# Altium PCB PCB1.PcbDoc (part 1 of 2) (continued)
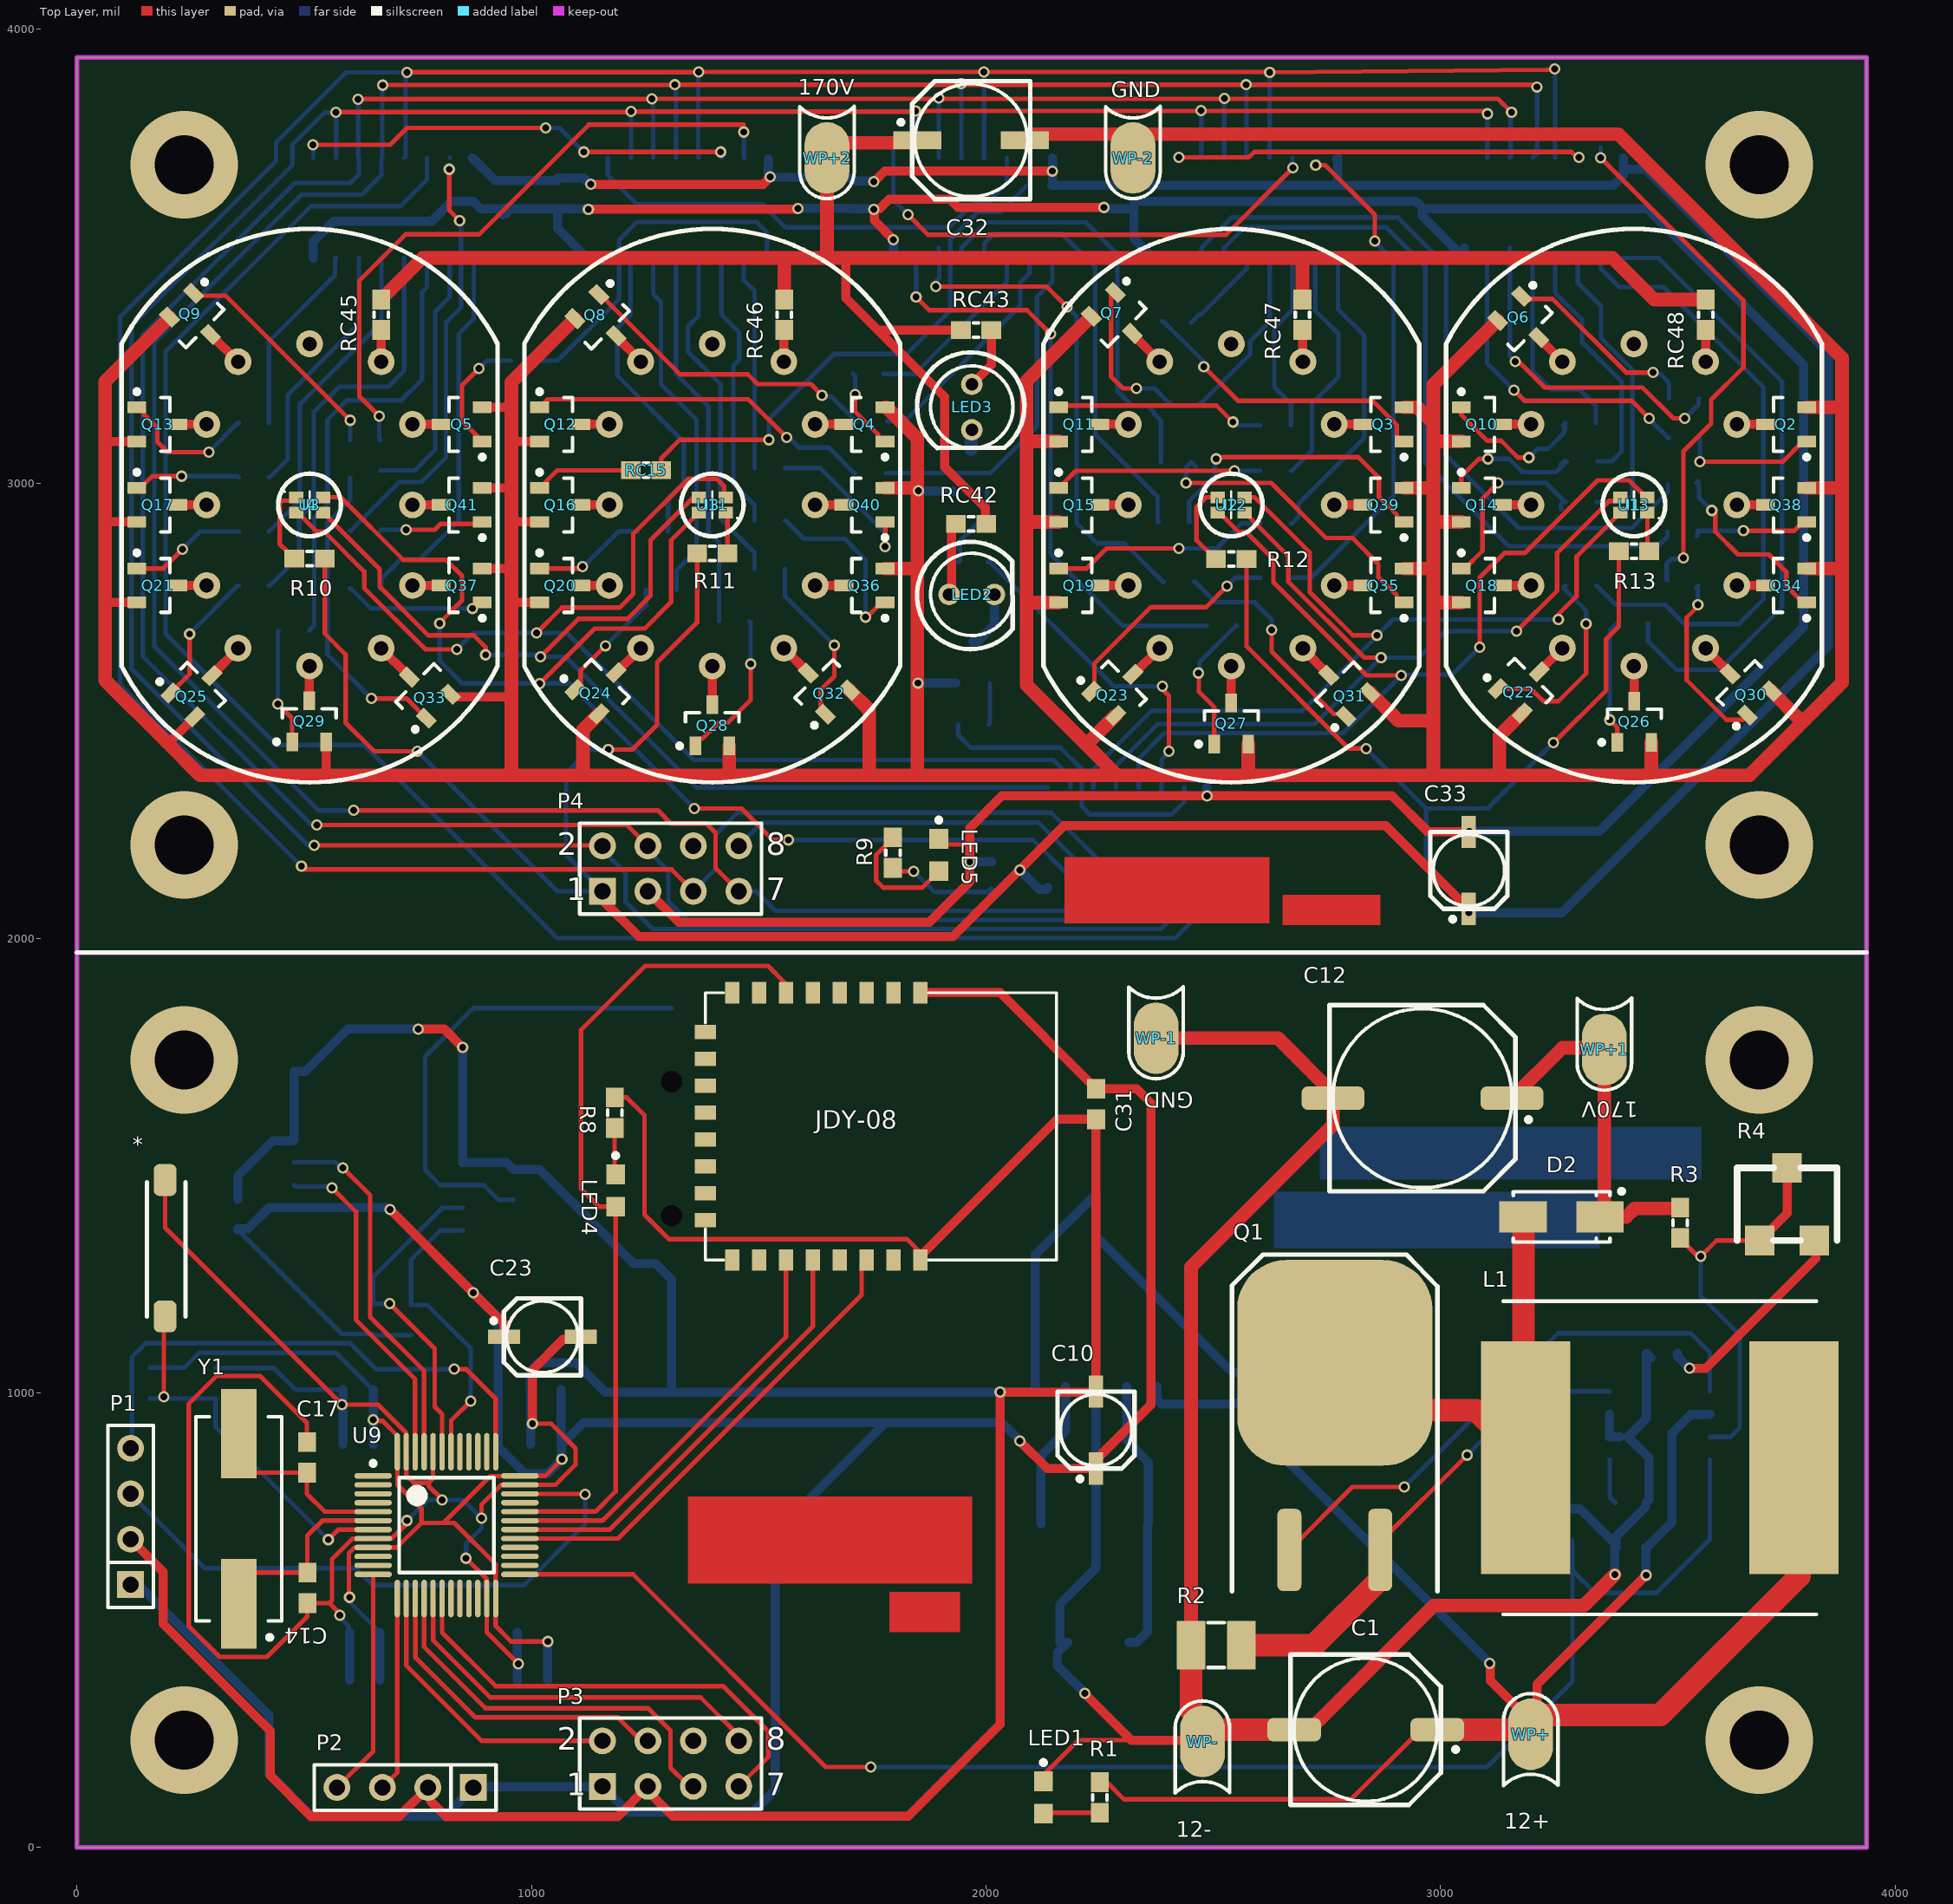
[diagram p0: Top Layer view]
## Components (designator, comment, footprint, x,y, rotation, side; value= is the part's Value field where it differs from the comment) (continued)
RC9 "4.7K" RESC1608[0603] 3308,3133 r180 bottom
RC10 "4.7K" RESC1608[0603] 2637,3128 r180 bottom
RC11 "4.7K" RESC1608[0603] 1745,3023 r180 bottom
RC12 "4.7K" RESC1608[0603] 389,3133 r180 bottom
RC13 "4.7K" RESC1608[0603] 3311,3049 r180 bottom
RC14 "4.7K" RESC1608[0603] 2637,3028 r180 bottom
RC15 "4.7K" RESC1608[0603] 1252,3029 r180 top
RC16 "4.7K" RESC1608[0603] 389,3013.67 r180 bottom
RC17 "4.7K" RESC1608[0603] 3309,2954 r180 bottom
RC18 "4.7K" RESC1608[0603] 2637,2912 r180 bottom
RC19 "4.7K" RESC1608[0603] 1267,2895 r180 bottom
RC20 "4.7K" RESC1608[0603] 389,2894.33 r180 bottom
RC21 "4.7K" RESC1608[0603] 3308,2775 r180 bottom
RC22 "4.7K" RESC1608[0603] 2637,2793 r180 bottom
RC23 "4.7K" RESC1608[0603] 1285.46,2766 r180 bottom
RC24 "4.7K" RESC1608[0603] 389,2775 r180 bottom
RC25 "4.7K" RESC1608[0603] 3423,2692 r180 bottom
RC26 "4.7K" RESC1608[0603] 2518,2687 r0 bottom
RC27 "4.7K" RESC1608[0603] 1446,2697 r0 bottom
RC28 "4.7K" RESC1608[0603] 477,2676 r180 bottom
RC29 "4.7K" RESC1608[0603] 3530.54,2788 r0 bottom
RC30 "4.7K" RESC1608[0603] 2424,2784 r0 bottom
RC31 "4.7K" RESC1608[0603] 1524,2812 r0 bottom
RC32 "4.7K" RESC1608[0603] 634,3029 r180 bottom
RC33 "4.7K" RESC1608[0603] 3533,2997 r0 bottom
RC34 "4.7K" RESC1608[0603] 2418,3047 r0 bottom
RC35 "4.7K" RESC1608[0603] 1524,2918 r0 bottom
RC36 "4.7K" RESC1608[0603] 634,2769 r180 bottom
RC37 "4.7K" RESC1608[0603] 3532,2896 r0 bottom
RC38 "4.7K" RESC1608[0603] 2413,2916 r0 bottom
RC39 "4.7K" RESC1608[0603] 1524,3034 r0 bottom
RC40 "4.7K" RESC1608[0603] 634,2896 r0 bottom
RC41 "4.7K" RESC1608[0603] 1972,2470 r0 bottom
RC42 "200k" RESC1608[0603] 1967,2911 r0 top
RC43 "200k" RESC1608[0603] 1978,3337 r180 top
RC44 "4.7K" RESC1608[0603] 1972.54,2827 r180 bottom
RC45 "20k" RESC1608[0603] 669,3371 r90 top
RC46 "20k" RESC1608[0603] 1556,3371 r90 top
RC47 "20k" RESC1608[0603] 2696,3371 r90 top
RC48 "20k" RESC1608[0603] 3583,3371 r270 top
tc "226" CAPC1608[0603] 2960,3638 r270 bottom
U1 "LM2596S-3.3" TO-263-5 2242,1266 r90 bottom
U2 "MAX1771" SOIC8 3482,928 r180 bottom
U3 "LED_RGB" LED-RGB-0603 511.81,2952.76 r0 top
U4 "SN74HC595N" SOIC16 695,3606 r90 bottom
U5 "SN74HC595N" SOIC16 1342.76,3606 r90 bottom
U6 "SN74HC595N" SOIC16 1970.84,3606 r90 bottom locked
U7 "SN74HC595N" SOIC16 2598.92,3606 r90 bottom locked
U8 "SN74HC595N" SOIC16 3227,3606 r90 bottom locked
U9 "STM32F103C8T6" LQFP48_M 813,709 r0 top locked
U10 "SN74HC595N" SOIC16 2311,2221 r270 bottom locked
U11 "LED_RGB" LED-RGB-0603 1397.64,2952.76 r180 top
U12 "LED_RGB" LED-RGB-0603 2539.37,2952.76 r0 top
U13 "LED_RGB" LED-RGB-0603 3425.2,2952.76 r180 top
WP+ "12+" WirePadSingleSide 4274.77,249 r0 top
WP+1 "170V" WirePadSingleSide 2283.23,1755 r180 top
WP+2 "170V" WirePadSingleSide 573.23,3716 r180 top
WP- "12-" WirePadSingleSide 3552.77,233 r0 top
WP-1 "GND" WirePadSingleSide 1297.23,1780 r180 top
WP-2 "GND" WirePadSingleSide 1246.23,3716 r180 top
Y1 "8MHz" XTAL-SMD 356,535.99 r90 top locked
? "CC2541-MOD" JDY-08 1855,1880 r0 top

## Footprints (in the part's own frame and the unit in brackets; to place one, negate y for a bottom-side part, rotate by r counter-clockwise, add the part's x,y. Pads: shape width x height; smd on the part's side, far side on the other; paste and mask are expansions set on the pad)
CAPC1608[0603] [mm] "Chip Capacitor, 2-Leads, Body 1.60x0.80mm, IPC Medium Density"
  rect 1.1x1 smd: 1(-0.85,0) 2(0.85,0)
  body extent -0.88,-0.48 0.87,0.47, height 0.85
CAPS4 [mm] "Solid Electorlytic Capacitor, B-type Footprint, 4mm Diameter, 5.5mm Height"
  rect 1.8x0.8 smd: 1(-2.15,0) 2(2.15,0)
  silkscreen extent -2.85,-2.15 2.15,2.15, body extent -2.29,-2.16 2.31,2.14, height 5.2
CAPS6.3 [mm] "Solid Electorlytic Capacitor, E-type Footprint, 6.3mm Diameter, 5.5mm Height"
  rect 2.7x1 smd: 1(-3,0) 2(3,0)
  silkscreen extent -4.05,-3.3 3.3,3.3, body extent -3.5,-3.3 3.5,3.3, height 5.2
CAPS8 [mm] "Solid Electorlytic Capacitor, G-type Footprint, 8mm Diameter, 10mm Height"
  rrect50% 3x1.3 smd: 1(-4,0) 2(4,0)
  silkscreen extent -5.15,-4.2 4.2,4.2, body extent -3.5,-3.3 3.5,3.3, height 7.7
CAPS10 [mm] "Solid Electorlytic Capacitor, H-type Footprint, 10mm Diameter, 10mm Height"
  rrect50% 3.5x1.3 smd: 1(-5,0) 2(5,0)
  silkscreen extent -6.05,-5.2 5.2,5.2, body extent -4.47,-4.12 4.53,4.18, height 10.5
CR12202 [mm]
  rect 4x2.3 smd: 1(-8,0)
  rect 4.4x2.3 smd: 2(8,0)
  round 0.6 hole 1.2 unplated: MH1(-3.6,0) MH2(3.9,0)
  silkscreen extent -7.5,-7.5 8,7.5, body extent -9.29,-7.49 9.21,7.5, height 4.44
HDR1X4 [mm] "Connector; Header; 4 Position"
  rect 1.5x1.5 hole 0.9: 1(0,0)
  round 1.5 hole 0.9: 2(2.54,0) 3(5.08,0) 4(7.62,0)
  silkscreen extent -1.27,-1.27 8.89,1.27, body extent -1.27,-1.27 8.89,1.27, height 8.54
HDR2X4 [mm] "Connector; Header; 4x2 Position"
  rect 1.5x1.5 hole 0.9: 1(0,0)
  round 1.5 hole 0.9: 2(0,2.54) 3(2.54,0) 4(2.54,2.54) 5(5.08,0) 6(5.08,2.54) 7(7.62,0) 8(7.62,2.54)
  silkscreen extent -1.27,-1.27 8.89,3.81, body extent -1.27,-1.27 8.89,3.81, height 8.54
JDY-08 [mm]
  rect 0.8x1.2 smd: 1(0,0) 2(-1.5,0) 3(-3,0) 4(-4.5,0) 5(-6,0) 6(-7.5,0) 7(-9,0) 8(-10.5,0) 17(-10.5,-14.935) 18(-9,-14.935) 19(-7.5,-14.935) 20(-6,-14.935) 21(-4.5,-14.935) 22(-3,-14.935) 23(-1.5,-14.935) 24(0,-14.935)
  rect 1.2x0.8 smd: 9(-12,-2.202) 10(-12,-3.702) 11(-12,-5.202) 12(-12,-6.702) 13(-12,-8.202) 14(-12,-9.702) 15(-12,-11.202) 16(-12,-12.702)
  silkscreen extent -12,-14.94 7.61,0
KEY [mil]
  rrect50% 70x50 smd: 1(0,0) 2(300,0)
  silkscreen extent 0,-45 295,40, body extent 0,-78 308,80, height 102
LED-R5-H9-SINGLE-R [mm]
  round 1.2 hole 0.7: 1(0,0) 2(2.54,0)
  silkscreen extent -1.78,-3.06 3.57,2.94, body extent -1.36,-2.85 3.99,2.85, height 1.5
LED-RGB-0603 [mm]
  rect 0.8x0.65 smd: 1(-0.75,0.425) 2(0.75,0.425) 3(-0.75,-0.425) 4(0.75,-0.425)
  silkscreen extent -1.42,-0.75 0,0.76, body extent -0.8,-0.75 0.8,0.75, height 0.55
LEDC1608(0603) [mm] "LED,Chip;1.60mm L X 0.80mm W X 0.80mm H"
  rect 1.1x1.05 smd: A(0.9,0) C(-0.9,0)
  silkscreen extent -2.07,-0.12 -1.83,0.13, body extent -0.9,-0.45 0.9,0.45, height 0.8
LQFP48_M [mm] "Thin QFP, 48-Leads, Body 7x7mm, Pitch 0.5mm, IPC Low Density"
  oval 2.1x0.3 smd: 1(-4.1,2.75) 2(-4.1,2.25) 3(-4.1,1.75) 4(-4.1,1.25) 5(-4.1,0.75) 6(-4.1,0.25) 7(-4.1,-0.25) 8(-4.1,-0.75) 9(-4.1,-1.25) 10(-4.1,-1.75) 11(-4.1,-2.25) 12(-4.1,-2.75) 25(4.1,-2.75) 26(4.1,-2.25) 27(4.1,-1.75) 28(4.1,-1.25) 29(4.1,-0.75) 30(4.1,-0.25) 31(4.1,0.25) 32(4.1,0.75) 33(4.1,1.25) 34(4.1,1.75) 35(4.1,2.25) 36(4.1,2.75)
  oval 0.3x2.1 smd: 13(-2.75,-4.1) 14(-2.25,-4.1) 15(-1.75,-4.1) 16(-1.25,-4.1) 17(-0.75,-4.1) 18(-0.25,-4.1) 19(0.25,-4.1) 20(0.75,-4.1) 21(1.25,-4.1) 22(1.75,-4.1) 23(2.25,-4.1) 24(2.75,-4.1) 37(2.75,4.1) 38(2.25,4.1) 39(1.75,4.1) 40(1.25,4.1) 41(0.75,4.1) 42(0.25,4.1) 43(-0.25,4.1) 44(-0.75,4.1) 45(-1.25,4.1) 46(-1.75,4.1) 47(-2.25,4.1) 48(-2.75,4.1)
  silkscreen extent -4.22,-2.65 2.65,3.57, body extent -4.5,-4.5 4.5,4.5, height 1.6
Nixie_IN12-hole [mm]
  round 1.5 hole 0.8: 1(4,8) 2(5.75,4.5) 3(5.75,0) 4(5.75,-4.5) 5(4,-8) 6(0,-9) 7(-4,-8) 8(-5.75,-4.5) 9(-5.75,0) 10(-5.75,4.5) 11(-4,8) 12(0,9)
  silkscreen extent -10.5,-15.5 10.5,15.42, body extent -10.49,-14.99 10.51,16.01, height 38.7
RESC1608[0603] [mm] "Chip Resistor, 2-Leads, Body 1.60x0.82mm, IPC Medium Density"
  rect 1.1x1 smd: 1(-0.85,0) 2(0.85,0)
  silkscreen extent -0.15,-0.4 0.15,0.4, body extent -0.8,-0.4 0.8,0.4, height 0.45
RESC3225[1210] [mm] "Chip Resistor, 2-Leads, Body 3.20x2.49mm, IPC Medium Density"
  rect 1.6x2.7 smd: 1(-1.4,0) 2(1.4,0)
  silkscreen extent -0.45,-1.25 0.45,1.25, body extent -1.68,-1.32 1.68,1.32, height 0.71
Rhostat3 [mil]
  rect 65x65 smd: 1(-60,-80) 2(60,-80) 3(0,80)
  silkscreen extent -110,-80 110,80, body extent -89,-96 89,96, height 87
SMA[DO-214AC] [mm] "Molded Diode, 2-Leads, Body 5.00x2.49mm, IPC Medium Density"
  rect 2.65x1.75 smd: A(-2.15,0) K(2.15,0)
  silkscreen extent -2.7,-1.4 3.48,1.55, body extent -2.9,-1.46 2.91,1.46, height 2.3
SOIC8 [mm] "SOIC,1.27mm pitch;8 pin,3.90mm W X 4.88mm L X 1.73mm H body"
  rect 1.8x0.65 smd: 1(-2.8,1.905) 2(-2.8,0.635) 3(-2.8,-0.635) 4(-2.8,-1.905) 5(2.8,-1.905) 6(2.8,-0.635) 7(2.8,0.635) 8(2.8,1.905)
  silkscreen extent -3.58,-2.45 1.58,2.87, body extent -3.11,-2.45 3.11,2.45, height 1.75
SOIC16 [mm] "SOIC,1.27mm pitch;16 pin,3.90mm W X 9.90mm L X 1.65mm H body"
  rect 1.8x0.65 smd: 1(-2.8,4.445) 2(-2.8,3.175) 3(-2.8,1.905) 4(-2.8,0.635) 5(-2.8,-0.635) 6(-2.8,-1.905) 7(-2.8,-3.175) 8(-2.8,-4.445) 9(2.8,-4.445) 10(2.8,-3.175) 11(2.8,-1.905) 12(2.8,-0.635) 13(2.8,0.635) 14(2.8,1.905) 15(2.8,3.175) 16(2.8,4.445)
  silkscreen extent -3.57,-4.95 1.58,5.43, body extent -3.11,-4.95 3.11,4.95, height 1.75
SOIC127P1032X265-16N [mm]
  rect 1.925x0.65 smd: 1(-4.712,4.445) 2(-4.712,3.175) 3(-4.712,1.905) 4(-4.712,0.635) 5(-4.712,-0.635) 6(-4.712,-1.905) 7(-4.712,-3.175) 8(-4.712,-4.445) 9(4.712,-4.445) 10(4.712,-3.175) 11(4.712,-1.905) 12(4.712,-0.635) 13(4.712,0.635) 14(4.712,1.905) 15(4.712,3.175) 16(4.712,4.445)
  silkscreen extent -5.68,-5.15 3.4,5.15, body extent -5.16,-5.15 5.16,5.15, height 2.65
SOT23 [mm] "SOT23, 3-Leads, Body 2.90x2.40mm, Pitch 0.95mm, IPC Medium Density"
  rect 1.05x0.65 smd: 1(-1.15,0.95) 2(-1.15,-0.95) 3(1.15,0)
  silkscreen extent -1.28,-1.5 0.7,1.95, body extent -1.4,-1.45 1.4,1.45, height 1.2
TO-263 [mm]
  rrect50% 1.35x4.6 smd: 1(-2.54,-5.225) 3(2.54,-5.225)
  rrect50% 10.9x11.5 smd: 2(0,5.225)
  silkscreen extent -5.74,-7.52 5.74,11.28, body extent -4.91,-5.98 4.91,8.6, height 4.22
TO-263-5 [mm]
  rect 3.79x0.99 smd: 1(-6.4,3.4) 2(-6.4,1.7) 3(-6.4,0) 4(-6.4,-1.7) 5(-6.4,-3.4)
  rect 7.88x10.84 smd paste-6: 6(4.35,0)
  silkscreen extent -9.1,-5.08 0.09,5.08, body extent -7.04,-5.08 7.32,5.08, height 4.65
WHC0630 [mm] "7.4mm 6.6mm 3mm"
  rect 2.6x4 smd: 1(-3,0) 2(3,0)
  silkscreen extent -3.7,-3.3 3.7,3.3, body extent -3.66,-3.38 3.64,3.22, height 2.8
WHC1770 [mm] "17.5mm 17.5mm 7mm"
  rect 5x13 smd: 1(-7.5,0) 2(7.5,0)
  silkscreen extent -8.75,-8.75 8.75,8.75, body extent -8.95,-8.43 8.95,8.47, height 6.81
WirePadSingleSide [mm] "A single-side pad for soldering wire."
  oval 2.5x4 smd: 1(-27.35,0)
  silkscreen extent -28.87,-2.88 -25.83,2.27
XTAL-SMD [mm]
  rect 5x2 smd: 1(0,0) 2(9.5,0)
  silkscreen extent -2,-2.4 10.45,2.4, body extent -1.95,-2.46 11.45,2.44, height 4

## Part data
C1: library part "Cap Solid", "Polarized Capacitor (Radial)", Voltage=25V, Price(RMB)=0.000, Published=8-Jun-2000, Publisher="Altium Limited", Revision="July-2002: Re-released for DXP Platform."
C2 C3 C4 C5 C6 C7 C8 C9 C11 C13 C14 C16 C17 C19 C20 C21 C22 C24 C25 C26 C27 C28 C29 C31 tc: library part "Cap Chip 1", "Chip Capacitor, PSpice Model", Tolerance=Y5V, Voltage=3V, Price(RMB)=0.000, Published=8-Jun-2000, Publisher="Altium Limited", Revision="July-2002: Re-released for DXP Platform."
C10 C23 C33: library part "Cap Solid", "Polarized Capacitor (Radial)", Voltage=16V, Price(RMB)=0.000, Published=8-Jun-2000, Publisher="Altium Limited", Revision="July-2002: Re-released for DXP Platform."
C12 C32: library part "Cap Solid", "Polarized Capacitor (Radial)", Voltage=400V, Price(RMB)=0.000, Published=8-Jun-2000, Publisher="Altium Limited", Revision="July-2002: Re-released for DXP Platform."
D1: library part "Diode SMx", "Molded Diode", Imax=500mA, PartNumber=SS26, Price(RMB)=0.000, Published=8-Jun-2000, Publisher="Altium Limited", Revision="July-2002: Re-released for DXP Platform."
D2: library part "Diode TVS Uni-Dir", "TRANSIENT VOLTAGE  SUPPRESSOR DIODE", PartNumber=P/N, Imax=500mA, Price(RMB)=0.000, Published=8-Jun-2000, Publisher="Altium Limited"
I1 I2 I3 I4: library part IN12
IC1: "Integrated Circuit", Manufacturer_Name="Maxim Integrated", Mouser Part Number=700-DS3231S-, Datasheet Link=http://componentsearchengine.com/Datasheets/1/DS3231S.pdf, Height=2.65mm, Manufacturer_Part_Number=DS3231S, Mouser Price/Stock=https://www.mouser.co.uk/ProductDetail/Maxim-Integrated/DS3231S/?qs=ffX8NcjNb2RJWdvttxi1fQ%3D%3D
IC2: "Integrated Circuit", Manufacturer_Name=Q&J, Datasheet Link=https://datasheet.lcsc.com/szlcsc/Q-J-CR1220-2_C70381.pdf, Height=4.1mm, Manufacturer_Part_Number=CR1220-2
L1 L2: library part L
LED1 LED4 LED5: library part "LED Chip", "Typical Chip LED", Color=Red, Price(RMB)=0.00, Published=8-Jun-2000, Publisher="Altium Limited", Revision="July-2002: Re-released for DXP Platform."
LED2 LED3: "Red, 5mm, Typical INFRARED GaAs LED", Price(RMB)=0.00, Published=8-Jun-2000, Publisher="Altium Limited", Revision="July-2002: Re-released for DXP Platform."
P1 P2: "Header, 4-Pin", LatestRevisionDate=17-Jul-2002, LatestRevisionNote="Re-released for DXP Platform.", Price(RMB)=0.00, Publisher="Altium Limited"
P3 P4: "Header, 4-Pin, Dual row", LatestRevisionDate=17-Jul-2002, LatestRevisionNote="Re-released for DXP Platform.", Price(RMB)=0.00, Publisher="Altium Limited"
Q1: library part NMOS
Q2 Q3 Q4 Q5 Q6 Q7 Q8 Q9 Q10 Q11 Q12 Q13 Q14 Q15 Q16 Q17 Q18 Q19 Q20 Q21 Q22 Q23 Q24 Q25 Q26 Q27 Q28 Q29 Q30 Q31 Q32 Q33 Q34 Q35 Q36 Q37 Q38 Q39 Q40 Q41 Q42 Q43: library part "NPN SMC SOT-23", "NPN Bipolar Transistor", PartNumber="0.2A 400V", Price(RMB)=0.000, Published=8-Jun-2000, Publisher="Altium Limited", Revision="July-2002: Re-released for DXP Platform."
R1 R2 R3 R5 R6 R7 R8 R9 R10 R11 R12 R13 R14 R15 RC1 RC2 RC3 RC4 RC5 RC6 RC7 RC8 RC9 RC10 RC11 RC12 RC13 RC14 RC15 RC16 RC17 RC18 RC19 RC20 RC21 RC22 RC23 RC24 RC25 RC26 RC27 RC28 RC29 RC30 RC31 RC32 RC33 RC34 RC35 RC36 RC37 RC38 RC39 RC40 RC41 RC42 RC43 RC44 RC45 RC46 RC47 RC48: library part "Res Chip 2p 1", "Chip Resistor, PSpice Model, IPC PCB Library Drawing", Tolerance=5%, Price(RMB)=0.000, Published=8-Jun-2000, Publisher="Altium Limited", Revision="July-2002: Re-released for DXP Platform.", TC1=0, TC2=0
R4: library part Rhostat
U1: library part LM2596S-5.0, "SIMPLE SWITCHER&reg; 4.5V to 40V, 3A Low Component Count Step-Down Regulator 5-DDPAK/TO-263", Package="TO-263-5 Texas Instruments", Availability=Good, Check_prices=https://www.snapeda.com/parts/LM2596S-5.0/NOPB/Texas%20Instruments/view-part/15588/?ref=eda, DigiKey-Purchase-URL=https://snapeda.com/shop?store=DigiKey&id=15588, MF="Texas Instruments", Mouser-Purchase-URL=https://snapeda.com/shop?store=Mouser&id=15588, MP=LM2596S-5.0/NOPB, Price=None, SnapEDA_Link=https://www.snapeda.com/parts/LM2596S-5.0/NOPB/Texas%20Instruments/view-part/15588/?ref=snap, Texas_Instruments-Purchase-URL=https://snapeda.com/shop?store=Texas+Instruments&id=15588
U2: "DC-to-DC Converter Control Circuit", PartNumber=MAX1771, Price(RMB)=0.0
U4 U5 U6 U7 U8 U10: "8-Bit Shift Register with 3-State Output Registers", Code_JEDEC=MS-001-BB, ComponentLink1Description="Manufacturer Link", ComponentLink1URL=http://www.ti.com/, ComponentLink2Description=Datasheet, ComponentLink2URL=http://www-s.ti.com/sc/ds/sn74hc595.pdf, DatasheetVersion=May-1997, LatestRevisionDate=04-Mar-2005, LatestRevisionNote="Stylized 3D Model Added.", PackageDescription="DIP; 16 Leads; Row Spacing 7.62 mm; Pitch 2.54 mm", PackageReference=N016, PackageVersion=Oct-1995, Price(RMB)=0.00, Published=8-Jun-2000, Publisher="Altium Limited"
U9: "STM32 ARM-based 32-bit MCU Performance Line with 64 kB Flash, 20 kB Internal RAM, -40 to +85癈 Temperature, 48-Pin LQFP, Tray", ComponentLink1Description="Manufacturer URL", ComponentLink1URL=http://www.st.com/, ComponentLink2Description="STM32F103 Datasheet", ComponentLink2URL=http://www.st.com/internet/com/TECHNICAL_RESOURCES/TECHNICAL_LITERATURE/DATASHEET/CD00161566.pdf, ComponentLink3Description="STM32 Family Web Page", ComponentLink3URL=www.st.com/stm32, DatasheetVersion="rev13.0, Apr-2011", PackageDescription="48-Pin Low-Profile Quad Flat Pack, 7 x 7 mm Body, 0.5 mm Pitch (LQFP48)", PackageReference=LQFP48, PackageVersion="rev13, Apr-2011"
WP+ WP+1 WP+2 WP- WP-1 WP-2: library part "Wire Pad", "Wire soldering pad.", Price(RMB)=0.000
Y1: library part XTAL, "Crystal Oscillator", Price(RMB)=0.000, Published=8-Jun-2000, Publisher="Altium Limited", Revision="July-2002: Re-released for DXP Platform."

## Via types
v1: diameter 25, hole 15, Top Layer to Bottom Layer, tented both sides, 160 vias
v2: diameter 236.22, hole 129.92, Top Layer to Bottom Layer, 8 vias

## Nets (pads, with @x,y where several pads share a name; then routed paths per layer and width w, separated by ;. In a path a pad name is that pad's centre, name@x,y a point inside that pad or via, vN(x,y) a via of type N, cw(c..) or ccw(c..) an arc to the next point about the centre after c; other vN are vias at no path point)
1_N0: I1.2 Q2.3 | length 63
  Top Layer w20: I1.2@3651.57,3129.92 Q2.3@3714.57,3129.92
1_N1: I1.11 Q6.3 | length 74.7
  Top Layer w20: Q6.3@3216.01,3320.99 3216.01,3320.2 3267.72,3268.5 I1.11@3267.72,3267.72
1_N2: I1.10 Q10.3 | length 63
  Top Layer w20: Q10.3@3135.83,3129.92 I1.10@3198.82,3129.92
1_N3: I1.9 Q14.3 | length 63
  Top Layer w20: Q14.3@3135.83,2952.76 I1.9@3198.82,2952.76
1_N4: I1.8 Q18.3 | length 63
  Top Layer w20: Q18.3@3135.83,2775.59 I1.8@3198.82,2775.59
1_N5: I1.7 Q22.3 | length 72.8
  Top Layer w20: Q22.3@3217.01,2586.01 3217.01,2586.55 3267.72,2637.26 I1.7@3267.72,2637.8
1_N6: I1.6 Q26.3 | length 77.5
  Top Layer w20: I1.6@3425.2,2598.43 3425.6,2598.02 3425.6,2521.68 Q26.3@3426,2521.28
1_N7: I1.5 Q30.3 | length 79.3
  Top Layer w20: I1.5@3582.68,2637.8 3582.68,2636.56 3636.99,2582.25 Q30.3@3636.99,2581.01
1_N8: I1.4 Q34.3 | length 63
  Top Layer w20: I1.4@3651.57,2775.59 Q34.3@3714.57,2775.59
1_N9: I1.3 Q38.3 | length 63
  Top Layer w20: I1.3@3651.57,2952.76 Q38.3@3714.57,2952.76
2_N0: I2.2 Q3.3 | length 63
  Top Layer w20: I2.2@2765.75,3129.92 Q3.3@2828.74,3129.92
2_N1: I2.11 Q7.3 | length 87.1
  Top Layer w20: Q7.3@2322.01,3329.99 2322.01,3328.79 2381.89,3268.91 I2.11@2381.89,3267.72
2_N2: I2.10 Q11.3 | length 63
  Top Layer w20: Q11.3@2250,3129.92 I2.10@2312.99,3129.92
2_N3: I2.9 Q15.3 | length 63
  Top Layer w20: Q15.3@2250,2952.76 I2.9@2312.99,2952.76
2_N4: I2.8 Q19.3 | length 63
  Top Layer w20: Q19.3@2250,2775.59 I2.8@2312.99,2775.59
2_N5: I2.7 Q23.3 | length 82.8
  Top Layer w20: Q23.3@2323.01,2580.01 2323.56,2580.01 2381.34,2637.8 I2.7@2381.89,2637.8
2_N6: I2.6 Q27.3 | length 81.1
  Top Layer w20: Q27.3@2539.37,2517.28 I2.6@2539.37,2598.43
2_N7: I2.5 Q31.3 | length 83.4
  Top Layer w20: I2.5@2696.85,2637.8 2696.85,2636.47 2753.99,2579.34 Q31.3@2753.99,2578.01
2_N8: I2.4 Q35.3 | length 63
  Top Layer w20: I2.4@2765.75,2775.59 Q35.3@2828.74,2775.59
2_N9: I2.3 Q39.3 | length 63
  Top Layer w20: I2.3@2765.75,2952.76 Q39.3@2828.74,2952.76
3_N0: I3.2 Q4.3 | length 63
  Top Layer w20: I3.2@1624.02,3129.92 Q4.3@1687.01,3129.92
3_N1: I3.11 Q8.3 | length 79.7
  Top Layer w20: Q8.3@1186.01,3324.99 1186.01,3323.42 1240.16,3269.28 I3.11@1240.16,3267.72
3_N2: I3.10 Q12.3 | length 63
  Top Layer w20: Q12.3@1108.28,3129.92 I3.10@1171.26,3129.92
3_N3: I3.9 Q16.3 | length 63
  Top Layer w20: Q16.3@1108.27,2952.76 I3.9@1171.26,2952.76
3_N4: I3.8 Q20.3 | length 63
  Top Layer w20: Q20.3@1108.27,2775.59 I3.8@1171.26,2775.59
3_N5: I3.7 Q24.3 | length 76.4
  Top Layer w20: Q24.3@1186.01,2584.01 1186.2,2584.01 1239.98,2637.8 I3.7@1240.16,2637.8
3_N6: I3.6 Q28.3 | length 85.1
  Top Layer w20: Q28.3@1397.64,2513.28 I3.6@1397.64,2598.43
3_N7: I3.5 Q32.3 | length 77.1
  Top Layer w20: I3.5@1555.12,2637.8 1555.12,2637.34 1608.99,2583.47 Q32.3@1608.99,2583.01
3_N8: I3.4 Q36.3 | length 63
  Top Layer w20: I3.4@1624.02,2775.59 Q36.3@1687.01,2775.59
3_N9: I3.3 Q40.3 | length 63
  Top Layer w20: I3.3@1624.02,2952.76 Q40.3@1687.01,2952.76
4_N0: I4.2 Q5.3 | length 63
  Top Layer w20: I4.2@738.19,3129.92 Q5.3@801.18,3129.92
4_N1: I4.11 Q9.3 | length 85.3
  Top Layer w20: Q9.3@294.01,3327.99 I4.11@354.33,3267.72
4_N2: I4.10 Q13.3 | length 63
  Top Layer w20: Q13.3@222.44,3129.92 I4.10@285.43,3129.92
4_N3: I4.9 Q17.3 | length 63
  Top Layer w20: Q17.3@222.44,2952.76 I4.9@285.43,2952.76
4_N4: I4.8 Q21.3 | length 63
  Top Layer w20: Q21.3@222.44,2775.59 I4.8@285.43,2775.59
4_N5: I4.7 Q25.3 | length 84.5
  Top Layer w20: Q25.3@297.01,2577.01 297.01,2578.75 354.33,2636.06 I4.7@354.33,2637.8
4_N6: I4.6 Q29.3 | length 76.5
  Top Layer w20: Q29.3@511,2522.28 511.41,2522.68 511.41,2598.02 I4.6@511.81,2598.43
4_N7: I4.5 Q33.3 | length 89.3
  Top Layer w20: I4.5@669.29,2637.8 669.29,2636.75 730.99,2575.06 Q33.3@730.99,2574.01
4_N8: I4.4 Q37.3 | length 63
  Top Layer w20: I4.4@738.19,2775.59 Q37.3@801.18,2775.59
4_N9: I4.3 Q41.3 | length 63
  Top Layer w20: I4.3@738.19,2952.76 Q41.3@801.18,2952.76
32kHz: IC1.1
+3.3V: ?.1 C6.1 C7.1 C8.1 C9.1 C10.1 C11.2 C19.1 C20.1 C21.1 C22.1 C23.1 C24.1 C25.1 C26.1 C27.1 C28.1 C29.1 C31.1 C33.1 IC1.2 L2.1 P1.1 P2.1 P3.1 P4.1 R5.2 R6.2 R7.1 R9.2 R10.2 R11.2 R12.2 R13.2 tc.1 U1.4 U4.16 U5.16 U6.16 U7.16 U8.16 U9.9 U9.24 U9.36 U9.48 U10.16 | length 21542.9
  Top Layer w10: R10.2@545.28,2834.65 545.28,2669.84 591,2624.12 591,2474 654,2411 v1(749,2411) ; v1(599.67,550.33) 598.24,551.76 598.24,647.52 610.17,659.44 651.24,659.44 U9.9@651.58,659.79 703.79,659.79 758,714 ; v1(652,941) 654.87,938.13 672.45,938.13 704.73,905.85 U9.48@704.73,870.42 705.08,870.07 705.08,797.92 758,745 758,714 ; 808,716 908.92,816.92 974.07,816.92 U9.36@974.42,817.27 1030.27,817.27 v1(1067,854) ; v1(1036,453) 955,453 921.27,486.73 U9.24@921.27,547.58 921.08,547.77 921.08,622.92 830,714 758,714 ; v1(1169,2415) 1222,2415 1276,2469 1276,2606.07 1364.17,2694.24 R11.2@1364.17,2846 ; R9.2@1795,2154.54 1802.54,2147 v1(1841,2147) ; R12.2@2572.83,2834 2572.83,2642.17 2798,2417 v1(2836,2417) ; v1(3248,2430) 3249,2430 3364,2545 3364,2658 3391.73,2685.73 R13.2@3391.73,2851
  Top Layer w20: v1(689,1403) v1(872,1220) 938.85,1153.15 938.85,1122.5 C23.1@920.17,1122.5 ; v1(1130,3658) 1509,3658 v1(1525,3674) ; P4.1@1156,2103 1158,2101 1158,2082 1237,2003 1927,2003 v1(2074,2150) 2171,2247 2879.35,2247 3052.16,2074.2 3062,2084.04 C33.1@3062,2064.35 v1(3062,2055.75) ; v1(1753,3664) 1754.35,3664 1777.39,3687.04 v1(2145.84,3687.04) ; ?.1@1855,1880 2030.46,1880 2230.35,1680.12 2232.31,1680.12 2242,1670.43 C31.1@2242,1668.46 2331.54,1668.46 2363,1637 2363,974.04 2242,853.04 C10.1@2242,833.35 2134.65,833.35 v1(2074,894)
  Bottom Layer w10: R7.1@161,1055.46 236.34,1055.46 269,1088.12 569.38,1088.12 650.5,1007 C7.1@652.46,1007 ; C24.1@354,1358.54 583,1129.54 R6.2@651,1129.54 654,1126.54 R5.2@735,1126.54 ; v1(599.67,550.33) 599.67,539.8 C22.1@666.46,473 ; v1(749,2411) 1057,2103 P4.1@1156,2103 1076,2183 1076,2362 1129,2415 v1(1169,2415) ; v1(1841,2147) 1886.46,2101.54 C26.1@2012,2101.54 ; U7.16@2773,3715.32 U7.16@2773.92,3716.24 ; v1(2836,2417) 2968,2285 ; v1(3062,2055.75) 3062,2065 2968,2159 2968,2285 ; v1(3248,2430) 3103,2285 2968,2285
  Bottom Layer w20: P1.1@118,578 135,578 422,291 422,163 516,69 809,69 P2.1@872,132 873.24,133.24 1154.76,133.24 P3.1@1156,134.49 1213.49,77 1486,77 1536,127 1536,691 1779.54,934.54 ; C24.1@354,1358.54 354,1360.5 375.5,1360.5 422,1407 IC1.2@477.49,1407 685,1407 v1(689,1403) ; C20.1@652.46,887 C7.1@652.46,1007 ; C9.1@666.46,368 C22.1@666.46,473 ; U4.16@870,3716.24 920.24,3666 C27.1@1056,3666 ; v1(872,1220) 927,1165 927,881 986,822 1035,822 v1(1067,854) 1066.23,854.77 1066.23,886.24 C19.1@1065.46,887.01 ; C8.1@1035.46,368 v1@1035.46,453 ; C27.1@1057,3671.46 1115.18,3671.46 1128.65,3658 v1(1130,3658) ; C6.1@1065.46,1007 C19.1@1065.46,887.01 ; U5.16@1520.56,3713.44 1520.56,3679.79 1525,3675.35 v1(1525,3674) C28.1@1704,3671.46 1710.51,3664.96 1752.04,3664.96 v1(1753,3664) ; C26.1@2012,2101.54 2012,2103.5 2019.5,2096 2020,2096 v1(2074,2150) ; 2034.46,934.54 C11.2@1963,934.54 1779.54,934.54 ; 2035.5,933.5 2120.89,848.11 ; v1@2075.46,2148.54 2116.33,2107.67 2133.2,2107.67 2136,2110.46 U10.16@2136,2110.76 ; L2.1@2120.89,712 2120.89,848.11 ; U6.16@2145.84,3716.24 v1(2145.84,3687.04) 2145.84,3657.84 2144,3656 2325,3656 2777,3656 ; U1.4@2175.07,1014.03 2175.07,915.07 2120.89,860.89 2120.89,848.11 ; U7.16@2771.13,3713.44 U7.16@2773,3715.32 ; U7.16@2773.92,3716.24 2773.92,3659.08 2777,3656 ; v1(3062,2055.75) 3266.75,2055.75 3853,2642 3853,3288 3450.2,3690.8 3404.8,3690.8 U8.16@3402,3693.6 ; U8.16@3402,3716.24 U8.16@3402,3693.6 ; C19.1@1065.46,887.01 1067.43,887.01 1114.96,934.54 1779.54,934.54 ; 2777,3656 2960,3656 3380,3656 3402,3678 U8.16@3402,3693.6
+12: C1.1 C2.1 C4.2 C5.2 L1.2 R1.2 U1.1 U2.2 WP+.1 | length 4280
  Top Layer w10: R1.2@2250,143.46 2250,141.5 2267.5,141.5 2303,106 2803,106 2956,259 C1.1@2992.48,259
  Top Layer w20: v1(3108,405) 3108.96,404.04 3108.96,367.57 3198,278.53 WP+.1@3198,249 3212.09,263.09 3212.09,274.11 3212.09,359.09 v1(3452,599)
  Top Layer w30: WP+.1@3182,259 WP+.1@3198,243 ; WP+.1@3212.09,274.11 WP+.1@3229.61,291.62 ; L1.2@3705.8,692.8 3784,692.8 3777.28,699.52 L1.2@3777.28,857
  Top Layer w50: C1.1@2992.48,259 WP+.1@3182,259 ; WP+.1@3229.61,291.62 3483.62,291.62 3789,597 3789,609.59 L1.2@3705.8,692.8
  Bottom Layer w20: U1.1@2375.86,1014.03 2375.86,985.02 2385.35,975.54 C5.2@2544,975.54 2545.5,977.04 2654.5,977.04 2654.5,858.5 v1(3108,405) ; v1(3452,599) 3451.23,599.77 3451.23,658.23 C4.2@3450.46,659 3452.43,659 3509,715.57 3509,911 3551,953 U2.2@3592.24,953
+170: C12.1 C32.1 D2.K R3.2 RC42.2 RC43.2 RC45.2 RC46.2 RC47.2 RC48.1 WP+1.1 WP+2.1 | length 5334.9
  Top Layer w20: RC45.2@669,3404.46 RC45.2@669,3406.43 ; 1555,3496 1556,3495 ; 1691.54,3493.46 1691.54,3407.46 1762,3337 ; 1844,3496 1848.35,3500.35 ; RC43.2@1944.54,3337 1762,3337 ; 1997.46,3495.46 1998,3496 ; RC42.2@2000.46,2911 1998.5,2911 1998.5,2946.5 1909,3036 1909,3190 1762,3337 ; 2696,3495 2697,3496
  Top Layer w30: RC45.2@669,3404.46 760.54,3496 1555,3496 1648,3496 ; RC46.2@1556,3404.46 1556,3495 ; 1691.54,3493.46 1689,3496 ; C32.1@1848.35,3749 1681.61,3749 1650,3717.39 WP+2.1@1650,3716 1650,3498 1648,3496 ; RC47.2@2696,3404.46 2696,3495 ; C12.1@3156.85,1648 3267.85,1759 3326.47,1759 WP+1.1@3360,1725.47 ; WP+1.1@3360,1755 WP+1.1@3360,1725.47 ; R3.2@3527,1407.46 3527,1405.5 3426.5,1405.5 3408,1387 D2.K@3350.65,1387 3360,1396.35 WP+1.1@3360,1725.47 ; RC48.1@3583,3404.46 3469.54,3404.46 3378,3496 2697,3496 1998,3496 1844,3496 1689,3496 ; 1648,3496 1689,3496
_1_N0: RC1.1 U8.7 | length 701.1
  Top Layer w10: v1(3161,3205) 3184,3182 3420,3182 v1(3459,3143)
  Bottom Layer w10: U8.7@3102,3495.76 3102,3264 v1(3161,3205) ; v1(3459,3143) 3459,3141.57 3500.57,3100 RC1.1@3502.54,3100
_1_N1: RC5.1 U8.6 | length 738.7
  Top Layer w10: v1(3164,3268) 3172,3268 3229,3211 3444,3211 3512,3143 v1(3537,3143)
  Bottom Layer w10: U8.6@3152,3518.4 U8.6@3152,3495.76 3152,3280 v1(3164,3268) ; v1(3537,3143) 3567.5,3173.5 3567.5,3187 RC5.1@3569.46,3187
_1_N2: RC9.1 U8.5 | length 457.4
  Bottom Layer w10: U8.5@3202,3495.76 3202,3247 3242,3207 3305,3207 3341.46,3170.54 RC9.1@3341.46,3133
_1_N3: RC13.1 U8.4 | length 548.4
  Bottom Layer w10: U8.4@3252,3495.76 3252,3419 3311,3360 3311,3311 3398,3224 3398,3070.2 3376.8,3049 RC13.1@3344.46,3049
_1_N4: RC17.1 U8.3 | length 656.7
  Bottom Layer w10: U8.3@3302,3495.76 3302,3441 3353,3390 3353,3319 3422,3250 3422,2974.87 3406.13,2959 RC17.1@3342.46,2959
_1_N5: RC21.1 U8.2 | length 1381.5
  Bottom Layer w10: RC21.1@3341.46,2775 3343.43,2775 3385.43,2733 3494,2733 3536,2691 3656,2691 3710,2745 3710,3212 3490,3432 3393.13,3432 3352,3473.13 U8.2@3352,3495.76
_1_N6: RC25.1 U8.1 | length 1374.6
  Bottom Layer w10: U8.1@3402,3495.76 3479.24,3495.76 3751,3224 3751,2728 3613,2590 3519,2590 3456.46,2652.54 RC25.1@3456.46,2692
_1_N7: RC29.1 U8.15 | length 1167.5
  Top Layer w10: v1(3352,3716.24) 3666,3402.24 3666,3255.14 3595,3184.14 3595,3132 3534,3071 v1(3534,2836)
  Bottom Layer w10: v1(3352,3716.24) U8.15@3352,3738.87 ; RC29.1@3499.04,2788 RC29.1@3497.07,2788 3497.07,2824.07 3507,2834 3532,2834 v1(3534,2836)
_1_N8: RC33.1 U7.7 | length 1660.3
  Bottom Layer w10: U7.7@2480.2,3502.04 U7.7@2473.92,3495.76 2473.92,3518.4 2540.52,3585 2906,3585 3012,3479 3012,3062 3172,2902 3420,2902 3499.54,2981.54 RC33.1@3499.54,2997
_1_N9: RC37.1 U7.6 | length 1589.4
  Bottom Layer w10: U7.6@2531.2,3503.04 U7.6@2523.92,3495.76 2523.92,3518.4 2568.52,3563 2881,3563 2966,3478 2966,3046 3150,2862 3478,2862 3498.54,2882.54 RC37.1@3498.54,2894
_2_N0: RC2.1 U7.5 | length 195.1
  Bottom Layer w10: RC2.1@2451,3353.54 RC2.1@2454.46,3357 2469.15,3371.69 2472.48,3371.69 2573.92,3473.13 U7.5@2573.92,3495.76
_2_N1: RC6.1 U7.4 | length 393.4
  Bottom Layer w10: RC6.1@2471.46,3177 2473.43,3177 2580.9,3284.46 2580.9,3312.94 2623.92,3355.96 U7.4@2623.92,3495.76 U7.4@2631.2,3503.04
_2_N2: RC10.1 U7.3 | length 399.4
  Bottom Layer w10: RC10.1@2670.46,3128 2670.46,3175.54 2634,3212 2634,3342 2673.92,3381.92 U7.3@2673.92,3495.76
_2_N3: RC14.1 U7.2 | length 533.4
  Bottom Layer w10: RC14.1@2670.46,3028 2672.43,3028 2717,3072.57 2717,3176 2775,3234 2775,3329 2723.92,3380.08 U7.2@2723.92,3495.76
_2_N4: RC18.1 U7.1 | length 675.9
  Bottom Layer w10: RC18.1@2670.46,2912 2672.43,2912 2687.12,2926.69 2687.12,2955.12 2832,3100 2832,3325 2773.92,3383.08 U7.1@2773.92,3495.76
_2_N5: RC22.1 U7.15 | length 1123.2
  Top Layer w10: v1(2725,3700) 2746,3700 2855,3591 v1(2855,3533) v1@2855,3531
  Bottom Layer w10: RC22.1@2670.46,2793 2716,2793 2896,2973 2896,3490 v1@2855,3531 ; v1(2725,3700) 2725,3702.76 2724,3703.76 U7.15@2730.2,3709.96
_2_N6: RC26.1 U6.7 | length 1307.4
  Top Layer w10: v1(1846,3410) 1875,3381 2090,3381 v1(2142,3329)
  Bottom Layer w10: U6.7@1845.84,3495.76 1845.92,3495.68 1845.92,3410.08 v1(1846,3410) ; v1(2142,3329) 2142,2845 2300,2687 RC26.1@2484.54,2687
_2_N7: RC30.1 U6.6 | length 1125.4
  Top Layer w10: v1(1889,3433) 2133,3433 v1(2178,3388)
  Bottom Layer w10: v1(1889,3433) 1889,3444 1896.92,3451.92 1896.92,3494.68 U6.6@1895.84,3495.76 U6.6@1895.84,3518.4 ; v1(2178,3388) 2199,3367 2199,2913 2244,2868 2304.57,2868 2388.57,2784 RC30.1@2390.54,2784
_2_N8: RC34.1 U6.5 | length 934.3
  Bottom Layer w10: U6.5@1945.84,3495.76 1945.84,3518.4 2001.44,3574 2219,3574 2289,3504 2289,3203 2321,3171 2355,3171 2369.77,3156.23 2369.77,3153.46 2384.54,3138.69 RC34.1@2384.54,3047
_2_N9: RC38.1 U6.4 | length 934.2
  Bottom Layer w10: U6.4@1995.84,3495.76 1995.84,3527.84 2017,3549 2167,3549 2240,3476 2240,3108 2377.57,2970.43 2377.57,2916 RC38.1@2379.54,2916
_3_N0: RC3.1 U6.3 | length 407.3
  Bottom Layer w10: RC3.1@1774.46,3241 1843,3241 2045.84,3443.84 U6.3@2045.84,3495.76
_3_N1: RC7.1 U6.2 | length 511.1
  Bottom Layer w10: RC7.1@1782.46,3137 1821,3137 2075,3391 2075,3442 2095.84,3462.84 U6.2@2095.84,3495.76
_3_N2: RC11.1 U6.1 | length 760.6
  Bottom Layer w10: RC11.1@1778.46,3023 2010,3023 2112,3125 2112,3410 2145.84,3443.84 U6.1@2145.84,3495.76
_3_N3: RC15.1 U6.15 | length 1261.5
  Top Layer w10: RC15.1@1285,3028.54 RC15.1@1285.46,3029 1285.46,3055.46 1326,3096 v1(1522,3096)
  Bottom Layer w10: v1(1522,3096) 1522,3141 1666,3285 1826,3285 1921.05,3380.05 1921.05,3536.17 1981.88,3597 2032,3597 2095.84,3660.84 U6.15@2095.84,3716.24
_3_N4: RC19.1 U5.7 | length 687.5
  Bottom Layer w10: U5.7@1217.76,3495.76 1217.76,3370.76 1189,3342 1189,3237 1335,3091 1335,3002 1300.46,2967.46 RC19.1@1300.46,2895
_3_N5: RC23.1 U5.6 | length 787.5
  Bottom Layer w10: U5.6@1267.76,3495.76 1267.76,3416.24 1285,3399 1285,3218 1363,3140 1363,2853 1318.93,2808.93 RC23.1@1318.93,2766
_3_N6: RC27.1 U5.5 | length 838
  Bottom Layer w10: U5.5@1317.76,3495.76 1317.76,3241.24 1389,3170 1389,2893 1412.54,2869.46 RC27.1@1412.54,2697
_3_N7: RC31.1 U5.4 | length 754.3
  Bottom Layer w10: U5.4@1367.76,3495.76 1367.76,3368.76 1344,3345 1344,3290 1416,3218 1416,2922.11 1490.54,2847.57 RC31.1@1490.54,2812
_3_N8: RC35.1 U5.3 | length 618.7
  Bottom Layer w10: U5.3@1417.76,3495.76 1417.76,3371.24 1457,3332 1457,3272 1444,3259 1444,2999 1490.54,2952.46 RC35.1@1490.54,2918
_3_N9: RC39.1 U5.2 | length 471.8
  Bottom Layer w10: U5.2@1467.76,3495.76 1467,3495 1467,3447 1490.54,3423.46 RC39.1@1490.54,3034
_4_N0: RC4.1 U5.1 | length 764.8
  Bottom Layer w10: RC4.1@1021.46,3270 1057,3270 1192.97,3405.97 1192.97,3536.17 1231.8,3575 1495,3575 1517.76,3552.24 U5.1@1517.76,3495.76
_4_N1: RC8.1 U5.15 | length 1430.4
  Top Layer w10: v1(665,3148) 621,3192 621,3446 723,3548 885,3548 1126,3789 1467,3789 v1(1467,3773)
  Bottom Layer w10: v1(665,3148) 665,3098.46 RC8.1@667.46,3096 ; v1(1467,3773) 1467.38,3772.62 1467.38,3716.62 U5.15@1467.76,3716.24
_4_N2: RC12.1 U4.7 | length 423.9
  Bottom Layer w10: RC12.1@422.46,3133 422.46,3312.46 568,3458 568,3493.76 U4.7@570,3495.76
_4_N3: RC16.1 U4.6 | length 565.1
  Bottom Layer w10: RC16.1@422.46,3013.67 424.43,3013.67 464,3053.23 464,3195 620,3351 U4.6@620,3495.76
_4_N4: RC20.1 U4.5 | length 704
  Bottom Layer w10: RC20.1@422.46,2894.33 490,2961.87 490,3174 670,3354 U4.5@670,3495.76
_4_N5: RC24.1 U4.4 | length 908.4
  Bottom Layer w10: RC24.1@422.46,2775 424.43,2775 489,2839.57 489,2925 521,2957 521,3157 577,3213 685,3213 720,3248 U4.4@720,3495.76
_4_N6: RC28.1 U4.3 | length 997.6
  Bottom Layer w10: RC28.1@510.46,2676 522,2687.54 522,2925 551,2954 551,3140 594,3183 714,3183 759,3228 759,3420.57 770,3431.57 U4.3@770,3495.76
_4_N7: RC32.1 U4.2 | length 574.2
  Bottom Layer w10: RC32.1@667.46,3029 743,3029 788,3074 788,3378 820,3410 U4.2@820,3495.76
_4_N8: RC36.1 U4.1 | length 839.2
  Bottom Layer w10: RC36.1@667.46,2769 669.43,2769 669.43,2790 712.43,2833 755,2833 840,2918 840,3329 873,3362 873,3492.76 U4.1@870,3495.76